# Altium PCB Driver_BLDC.PcbDoc (part 1 of 3)
Units mm, origin at the board's own origin, x right, y up, seen from the top; angles counter-clockwise.
Board outline 320 x 180.01 mm, 2 copper layers (Top Layer, Bottom Layer), stack 1.371 mm thick; 416 components, 166 nets, 1100 pads, 409 vias.
Unrouted connection lines stored in the file: 1.
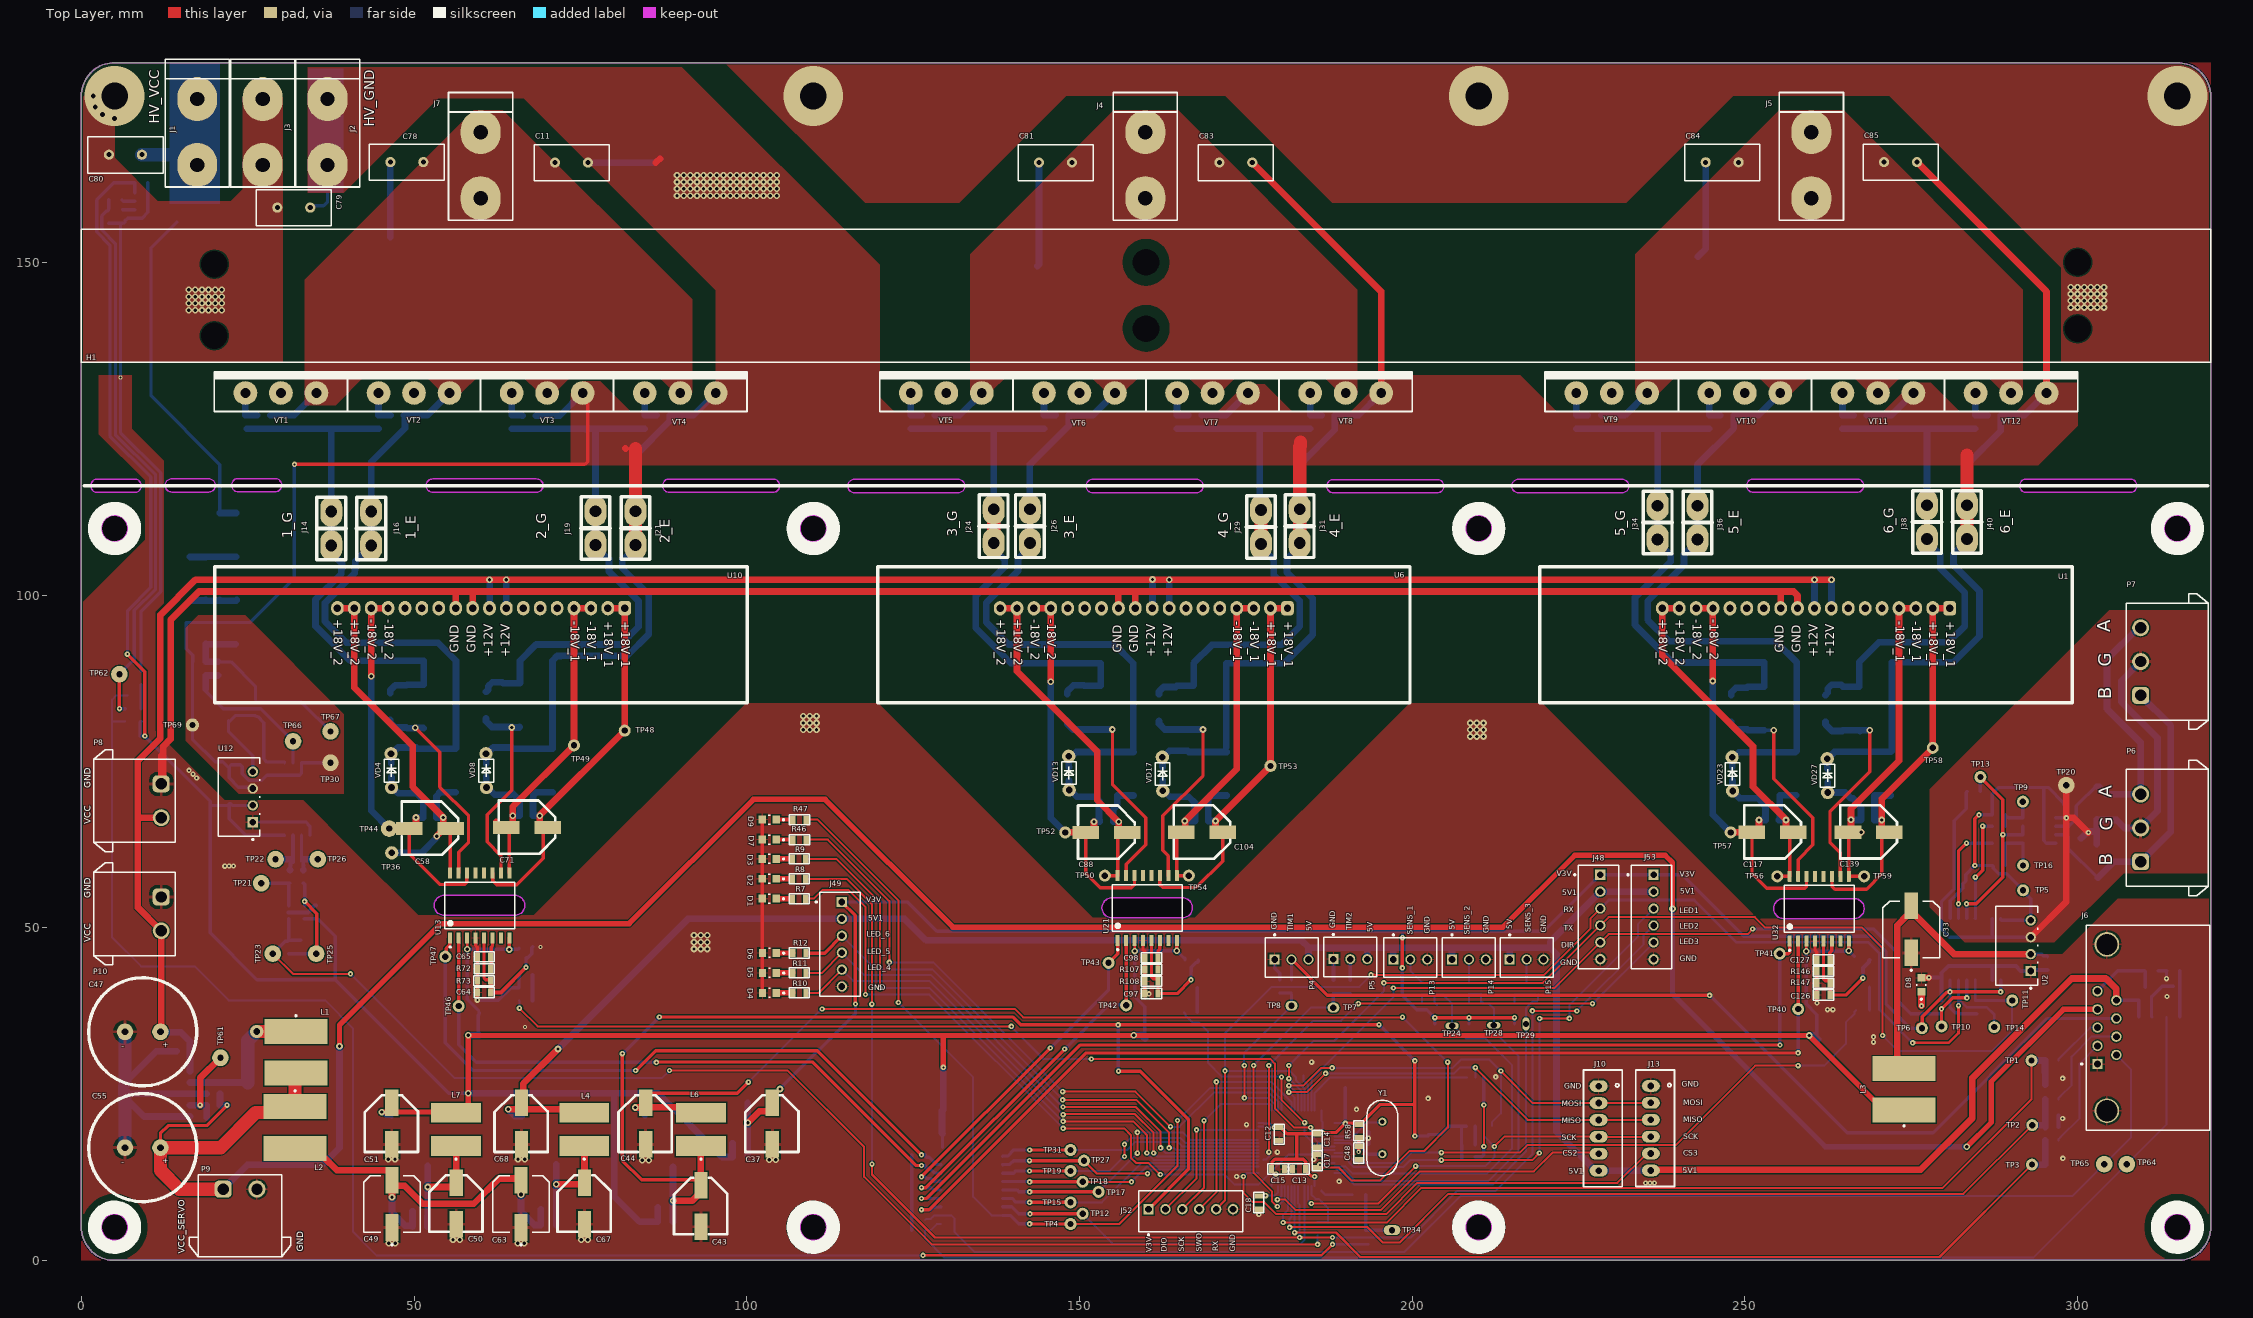
[diagram p0: Top Layer view]
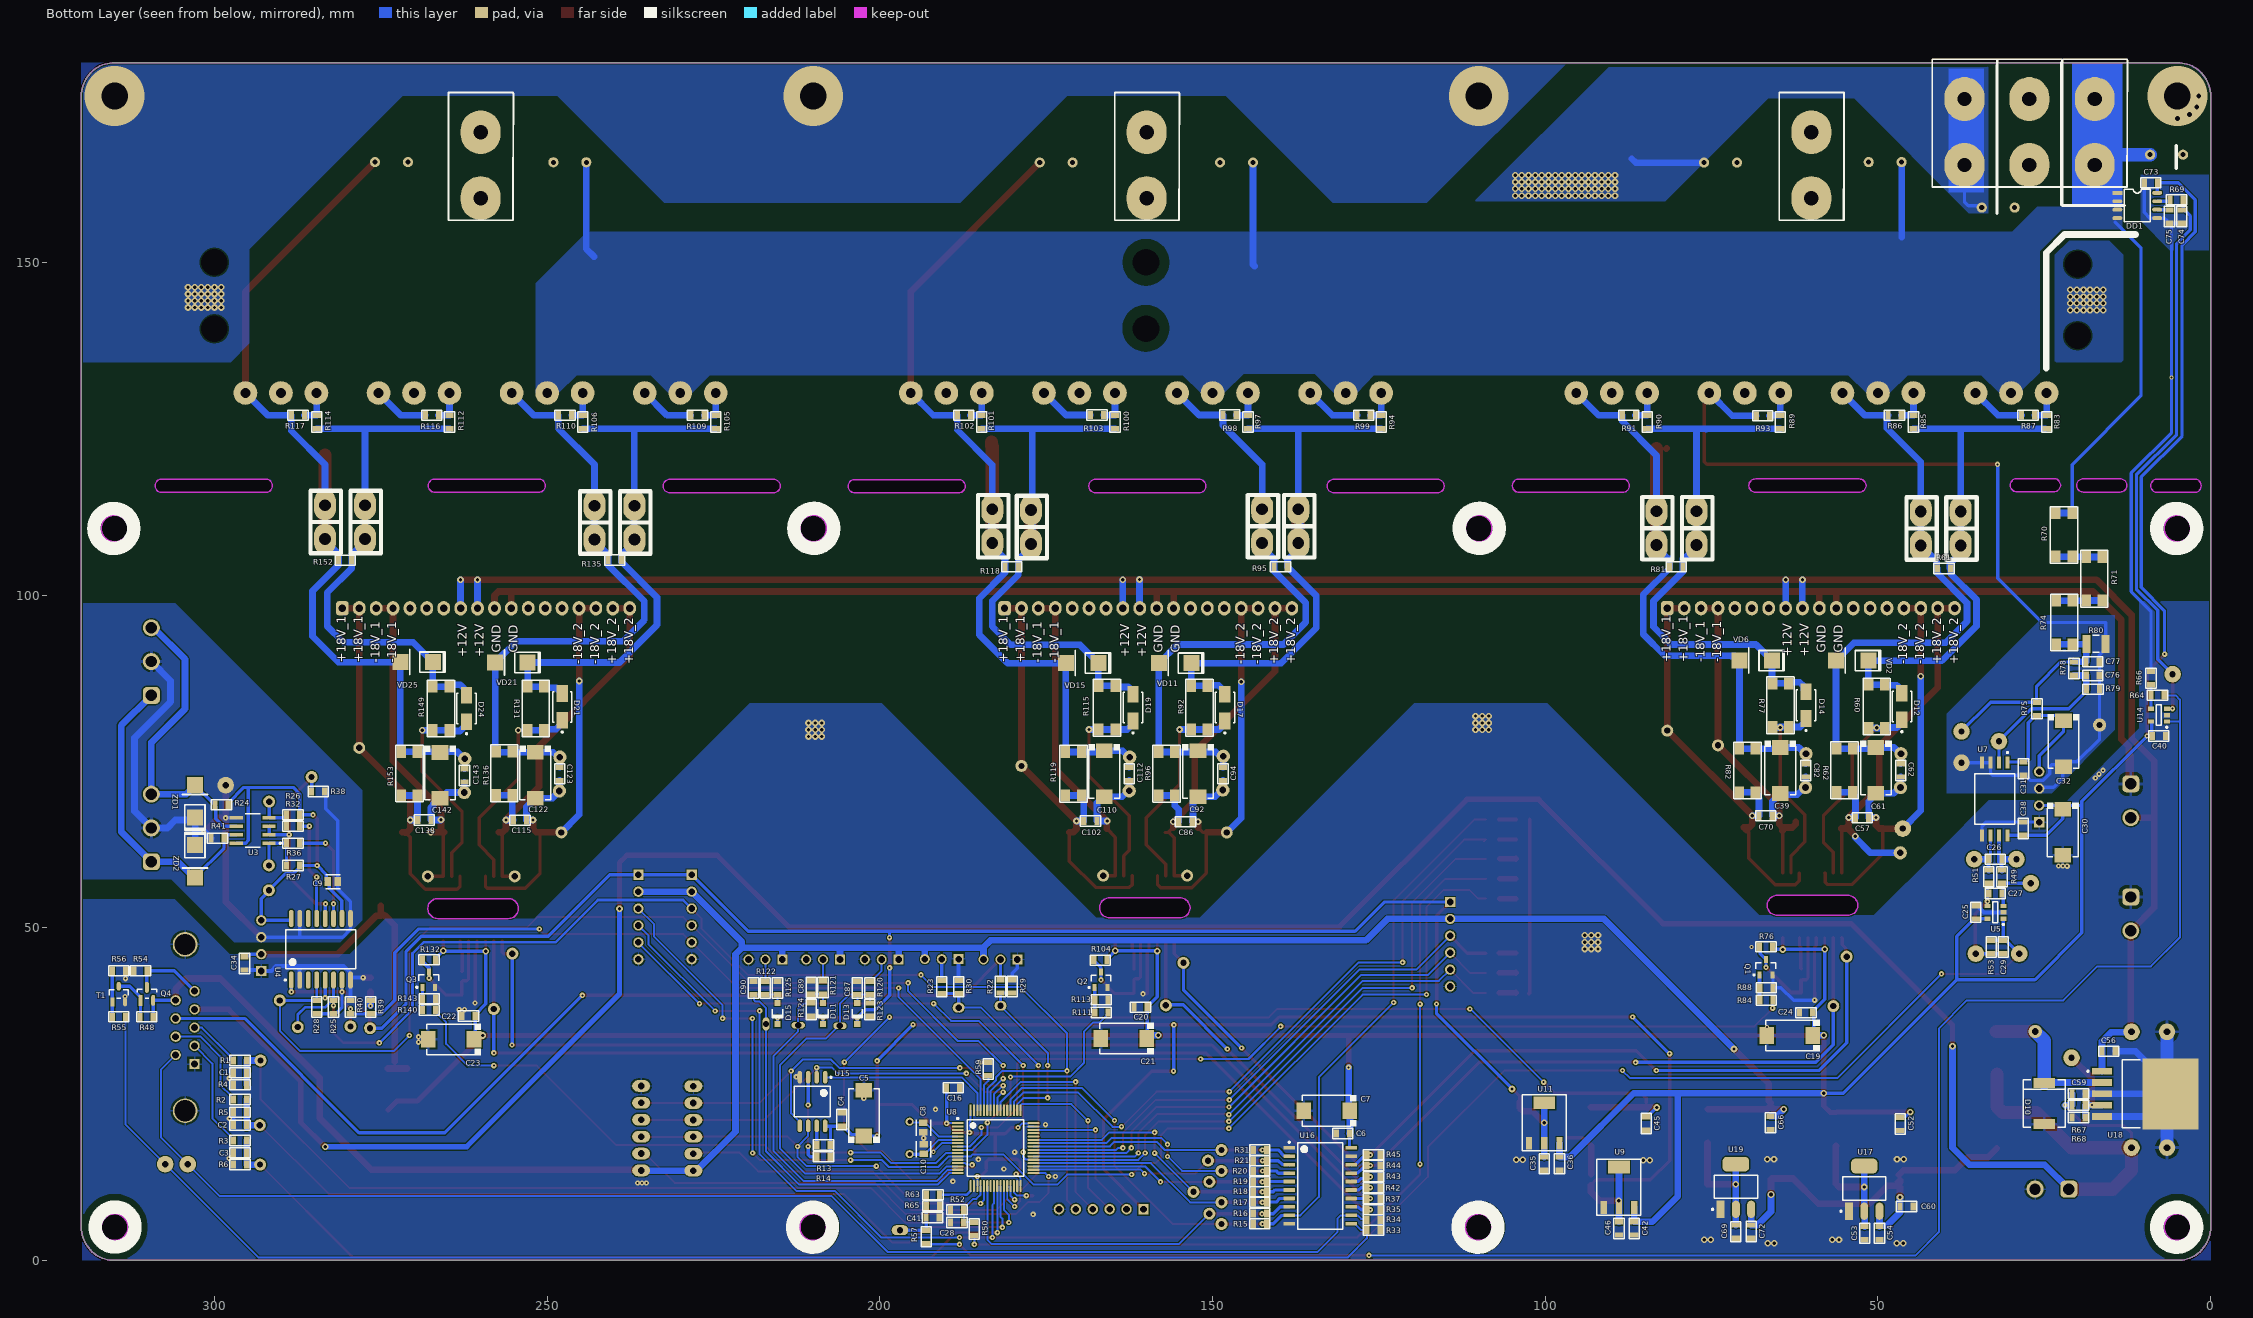
[diagram p1: Bottom Layer view, seen from below]
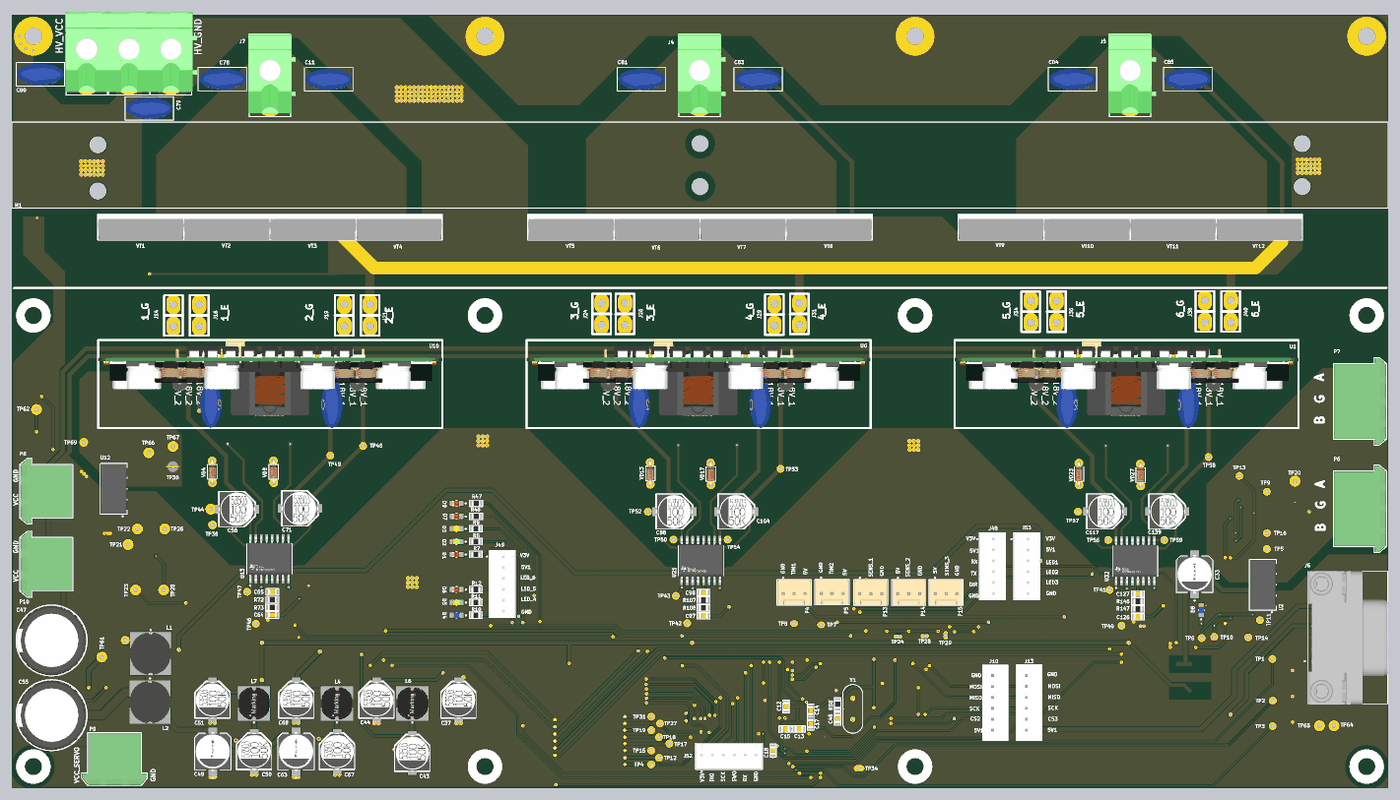
[diagram p4: 3D render of the assembled board from above, using the file's embedded part models]
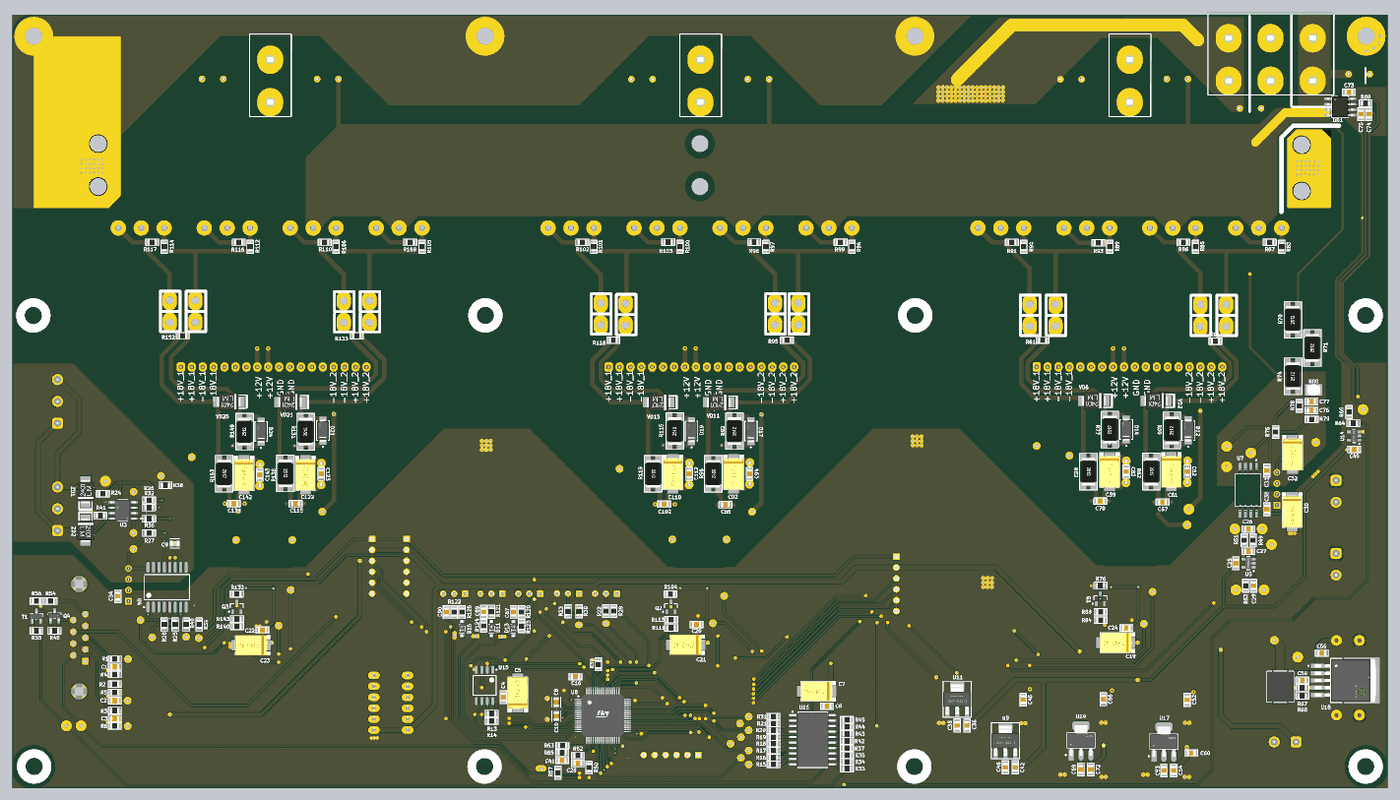
[diagram p5: 3D render of the assembled board from below, using the file's embedded part models]

## Layer stack, top to bottom
Top Solder: solder mask 0.0102, Solder Resist, Dk 3.5
Top Layer: signal copper 0.0356
Dielectric 1: dielectric 1.3, FR-4, Dk 4.8
Bottom Layer: signal copper 0.0356
Bottom Solder: solder mask 0.0102, Solder Resist, Dk 3.5

## Board outline
0,5 0,175.004 cw(c5,175.004) 5,180.004 5,180.011 315,180.011 315,180.004 cw(c315,175.004) 320,175.004 319.999,175.004 319.999,5 320,5 cw(c315,5) 315,0 5,0 cw(c5,5)
cut-out: 292.305,115.425 307.904,115.425 ccw(c307.904,116.425) 307.904,117.425 292.305,117.425 ccw(c292.305,116.425)
cut-out: 5,3 cw(c5,5) 3,5 cw(c5,5) 5,7 cw(c5,5) 7,5 cw(c5,5)
cut-out: 23.561,115.508 29.12,115.508 ccw(c29.12,116.508) 29.12,117.508 23.561,117.508 ccw(c23.561,116.508)
cut-out: 13.588,115.483 19.147,115.483 19.147,115.484 ccw(c19.147,116.484) 19.147,117.484 19.147,117.483 13.588,117.483 13.588,117.484 ccw(c13.588,116.484)
cut-out: 2.441,115.425 8,115.425 ccw(c8,116.425) 8,117.425 2.441,117.425 ccw(c2.441,116.425)
cut-out: 52.794,115.45 cw(c52.794,116.45) 52.794,117.45 68.393,117.45 cw(c68.393,116.45) 68.393,115.45
cut-out: 88.34,115.435 103.94,115.435 103.94,115.436 ccw(c103.94,116.436) 103.94,117.436 103.94,117.435 88.34,117.435 88.34,117.436 ccw(c88.34,116.436)
cut-out: 116.19,115.385 131.79,115.385 131.79,115.386 ccw(c131.79,116.386) 131.79,117.386 131.79,117.385 116.19,117.385 116.19,117.386 ccw(c116.19,116.386)
cut-out: 151.981,115.386 cw(c151.981,116.386) 151.981,117.386 151.981,117.385 167.58,117.385 167.58,117.386 cw(c167.58,116.386) 167.58,115.386 167.58,115.385
cut-out: 188.165,115.36 203.765,115.36 203.765,115.361 ccw(c203.765,116.361) 203.765,117.361 203.765,117.36 188.165,117.36 188.165,117.361 ccw(c188.165,116.361)
cut-out: 215.965,115.385 231.565,115.385 231.565,115.386 ccw(c231.565,116.386) 231.565,117.386 231.565,117.385 215.965,117.385 215.965,117.386 ccw(c215.965,116.386)
cut-out: 251.265,115.435 266.865,115.435 266.865,115.436 ccw(c266.865,116.436) 266.865,117.436 266.865,117.435 251.265,117.435 251.265,117.436 ccw(c251.265,116.436)
cut-out: 313,5 ccw(c315,5) 315,3 ccw(c315,5) 317,5 ccw(c315,5) 315,7 ccw(c315,5)
cut-out: 208,5 ccw(c210,5) 210,3 ccw(c210,5) 212,5 ccw(c210,5) 210,7 ccw(c210,5)
cut-out: 108,5 ccw(c110,5) 110,3 ccw(c110,5) 112,5 ccw(c110,5) 110,7 ccw(c110,5)
cut-out: 110,108.004 cw(c110,110.004) 108,110.004 cw(c110,110.004) 110,112.004 cw(c110,110.004) 112,110.004 cw(c110,110.004)
cut-out: 208,110.004 ccw(c210,110.004) 210,108.004 ccw(c210,110.004) 212,110.004 ccw(c210,110.004) 210,112.004 ccw(c210,110.004)
cut-out: 65.136,51.881 54.537,51.881 cw(c54.537,53.381) 54.537,54.881 65.136,54.881 cw(c65.136,53.381)
cut-out: 266.427,51.384 255.828,51.384 cw(c255.828,52.884) 255.828,54.384 266.427,54.384 cw(c266.427,52.884)
cut-out: 313,110.004 ccw(c315,110.004) 315,108.004 ccw(c315,110.004) 317,110.004 ccw(c315,110.004) 315,112.004 ccw(c315,110.004)
cut-out: 5,108.004 cw(c5,110.004) 3,110.004 cw(c5,110.004) 5,112.004 cw(c5,110.004) 7,110.004 cw(c5,110.004)
cut-out: 165.483,51.501 154.883,51.501 cw(c154.883,53.001) 154.883,54.501 165.483,54.501 cw(c165.483,53.001)

## Design rules (kind name [scope] priority, off if disabled: settings)
Clearance HV [InNetClass('All Nets') vs InNetClass('HV')] p1: gap=0.2 ignorepadtopadclearanceinfootprint=TRUE except(0: Text-Text Text-Hole; 0.4: THPad-THPad THPad-Via THPad-Fill THPad-Poly THPad-Region THPad-Text THPad-Hole Via-Via Via-Fill Via-Poly Via-Region Via-Text Via-Hole; 0.5: SMDPad-SMDPad SMDPad-THPad SMDPad-Via SMDPad-Fill SMDPad-Poly SMDPad-Region SMDPad-Text SMDPad-Hole Fill-Fill Fill-Poly Fill-Region Fill-Text Fill-Hole Poly-Poly Poly-Region Poly-Text Poly-Hole Region-Region Region-Text Region-Hole)
Clearance Clearance_1 [All] p2: gap=0.18 ignorepadtopadclearanceinfootprint=TRUE
Clearance GND [InNet('GND')] p3: gap=0.4 ignorepadtopadclearanceinfootprint=TRUE except(0.3: Text-Text Text-Hole)
ComponentClearance [All] p1: gap=-2.254 collisioncheckmode=3 verticalgap=0.254 showdistances=FALSE
DiffPairsRouting [All] p1: maxlimit=0.254 minlimit=0.1 mostfreqgap=0.254 toplayer_minwidth=0.3 toplayer_maxwidth=2 toplayer_prefwidth=0.3 bottomlayer_minwidth=0.3 bottomlayer_maxwidth=2 bottomlayer_prefwidth=0.3 maxuncoupledlength=12.7
Height [All] p1: minheight=0 maxheight=100 prefheight=12.7
HoleSize [All] p1: absolutevalues=TRUE maxlimit=5 minlimit=0.025 maxpercent=80.000 minpercent=20.000
HoleToHoleClearance [All] p1: gap=0 allowstackedmicrovias=TRUE
LayerPairs [All] p1 off: enforce=TRUE
MinimumSolderMaskSliver [All] p1: minsoldermaskwidth=0.01
PlaneClearance [All] p1: clearance=0.4
PlaneConnect [All] p1: planeconnectstyle=Direct reliefexpansion=0.508 reliefentries=4 reliefconductorwidth=0.254 reliefairgap=0.254
PolygonConnect [All] p1: connectstyle=Direct reliefconductorwidth=0.254 reliefentries=4 polygonreliefangle="90 Angle" airgapwidth=0.254
RoutingCorners [All] p1: cornerstyle=45-Degree minsetback=0.2 maxsetback=0.2
RoutingVias [All] p1: holewidth=0.4 width=0.8 viastyle="Through Hole" minholewidth=0.254 minwidth=0.5 maxholewidth=0.75 maxwidth=1.5
ShortCircuit [All] p1: allowed=TRUE
SilkToSilkClearance [All] p1 off: silktosilkclearance=0.01
SilkToSolderMaskClearance [All] p1: minsilkscreentomaskgap=0 clearancetoexposedcopper=FALSE
SolderMaskExpansion [All] p1: expansion=0 istentingtop=FALSE
UnRoutedNet [All] p1: checkbadconnections=TRUE
Width [All] p1: maxlimit=10 minlimit=0.254 preferedwidth=2
16 further rules are at their usual default settings.

## Components (designator, comment, footprint, x,y, rotation, side; value= is the part's Value field where it differs from the comment)
C1 "330pF" CAP-0805 296.161,28.224 r180 bottom
C2 "330pF" CAP-0805 296.15,20.347 r180 bottom
C3 "330pF" CAP-0805 296.15,16.193 r180 bottom
C4 "100n" CAP-0805 205.725,21.175 r270 bottom
C5 "CAP-POLAR" CAP-TAN-D 202.4,22.15 r90 bottom
C6 "100n" CAP-0805 130.421,19.077 r180 bottom
C7 "CAP-POLAR" CAP-TAN-D 132.85,22.5 r0 bottom
C8 "16pF" FP-GRM21B-0_1-IPC_C 193.447,19.975 r270 bottom
C9 "C0805C224K5RACTU" FP-C0805C-DN-MFG 282.203,56.922 r180 bottom value="0.22 μF"
C10 "16pF" FP-GRM21B-0_1-IPC_C 193.414,16.742 r90 bottom
C11 "CAP-V" CAP-V 73.66,164.983 r180 top
C12 "CAP-NON-POLAR" CAP-0805 180,18.975 r270 top
C13 "CAP-NON-POLAR" CAP-0805 183.007,13.742 r180 top
C14 "CAP-NON-POLAR" CAP-0805 185.74,18.021 r270 top
C15 "CAP-NON-POLAR" CAP-0805 179.851,13.742 r0 top
C16 "CAP-NON-POLAR" CAP-0805 188.977,25.942 r180 bottom
C17 "CAP-NON-POLAR" CAP-0805 185.741,14.975 r270 top
C18 "2,2uF 6,3V" CAP-0805 176.95,8.7 r90 top
C19 "CAP-POLAR" CAP-TAN-D 63.246,33.818 r0 bottom
C20 "CAP-NON-POLAR" CAP-0805 160.811,38.03 r180 bottom
C21 "CAP-POLAR" CAP-TAN-D 163.325,33.35 r0 bottom
C22 "CAP-NON-POLAR" CAP-0805 261.812,36.734 r180 bottom
C23 "CAP-POLAR" CAP-TAN-D 264.439,33.233 r0 bottom
C24 "CAP-NON-POLAR" CAP-0805 60.796,37.253 r180 bottom
C25 "0.1uF" CAP-0805 35.293,52.325 r270 bottom
C26 "47pF" CAP-0805 32.365,60.305 r180 bottom locked
C27 "47pF" CAP-0805 32.365,55.148 r180 bottom
C28 "1000pF" CAP-0805 188.386,5.7 r180 bottom
C29 "0.1uF" CAP-0805 31.185,47.105 r90 bottom locked
C30 "47uF_16V" CAP-TAN-D 22.225,64.338 r270 bottom
C31 "0.1uF" CAP-0805 28.125,73.9 r90 bottom
C32 "100uF_16V" CAP-TAN-D 22.125,77.65 r270 bottom
C33 "1000uF_10V" CAP_SMD_Size_G 275,49.769 r90 top
C34 "CAP-NON-POLAR" CAP-0805 295.483,44.648 r90 bottom
C35 "0.1uF" CAP-0805 100.15,14.55 r90 bottom
C36 "0.1uF" CAP-0805 97.85,14.55 r90 bottom
C37 "1000uF_6.3V" CAP_SMD_Size_E 103.85,20.5 r90 top locked
C38 "0.1uF" CAP-0805 28.15,64.9 r90 bottom
C39 "CAP-POLAR" CAP-TAN-D 64.686,73.631 r270 bottom
C40 "0.1uF" CAP-0805 7.798,78.817 r0 bottom
C41 "220pF" CAP-0805 192.064,6.465 r0 bottom
C42 "0.1uF" CAP-0805 86.625,4.825 r90 bottom
C43 "1000uF_6.3V" CAP_SMD_Size_E 93.125,8.125 r90 top
C44 "1000uF_6.3V" CAP_SMD_Size_E 84.8,20.5 r90 top locked
C45 "0.1uF" CAP-0805 84.8,20.575 r90 bottom
C46 "0.1uF" CAP-0805 88.925,4.825 r90 bottom
C47 "25V_2200uF" "HITANO 3300uF 25V  16x25" 9.231,34.362 r180 top
C48 "2.2uF" CAP-0805 191.982,16.149 r90 top
C49 "1000uF_10V" CAP_SMD_Size_G 46.7,8.5 r90 top locked
C50 "1000uF_6.3V" CAP_SMD_Size_E 56.35,8.5 r90 top locked
C51 "1000uF_6.3V" CAP_SMD_Size_E 46.66,20.5 r90 top locked
C52 "0.1uF" CAP-0805 46.66,20.525 r90 bottom
C53 "0.1uF" CAP-0805 52.01,4.1 r90 bottom
C54 "0.1uF" CAP-0805 49.77,4.1 r90 bottom
C55 "25V_2200uF" "HITANO 3300uF 25V  16x25" 9.231,16.963 r180 top
C56 "0.1uF" CAP-0805 15.327,31.441 r0 bottom
C57 "CAP-NON-POLAR" CAP-0805 52.366,66.531 r0 bottom
C58 "100uF_50V" CAP_SMD_Size_E 52.326,64.911 r0 top
C59 "0.1uF" CAP-0805 19.848,25.04 r0 bottom
C60 "0.1uF" CAP-0805 45.7,8.105 r0 bottom
C61 "CAP-POLAR" CAP-TAN-D 50.321,73.645 r270 bottom
C62 "CAP-NON-POLAR" CAP-0805 46.598,73.645 r90 bottom
C63 "1000uF_10V" CAP_SMD_Size_G 66.075,8.5 r90 top locked
C64 "CAP-NON-POLAR" CAP-0805 60.542,40.272 r0 top
C65 "CAP-NON-POLAR" CAP-0805 60.542,45.661 r0 top
C66 "0.1uF" CAP-0805 66.15,20.681 r90 bottom
C67 "1000uF_6.3V" CAP_SMD_Size_E 75.625,8.5 r90 top locked
C68 "1000uF_6.3V" CAP_SMD_Size_E 66.15,20.5 r90 top locked
C69 "0.1uF" CAP-0805 71.35,4.333 r90 bottom
C70 "CAP-NON-POLAR" CAP-0805 66.876,66.811 r0 bottom
C71 "100uF_50V" CAP_SMD_Size_E 66.926,65.061 r0 top
C72 "0.1uF" CAP-0805 69.06,4.333 r90 bottom
C73 "100nF" CAP-0805 9.002,161.979 r180 bottom
C74 "100pF" CAP-0805 4.354,156.874 r90 bottom
C75 "0.1uF" CAP-0805 6.182,156.874 r90 bottom
C76 "0.33uF" CAP-0805 17.723,87.913 r0 bottom
C77 "0.1uF" CAP-0805 17.725,89.975 r0 bottom
C78 "CAP-V" CAP-V 48.92,165.059 r180 top
C79 "CAP-V" CAP-V 31.925,158.225 r180 top
C80 "CAP-V" CAP-V 6.625,166.175 r180 top
C81 "100pF" CAP-V 146.394,165.004 r180 top
C82 "CAP-NON-POLAR" CAP-0805 60.856,73.645 r90 bottom
C83 "CAP-V" CAP-V 173.496,165.004 r180 top
C84 "CAP-V" CAP-V 246.583,165.034 r180 top
C85 "CAP-V" CAP-V 273.394,165.059 r180 top
C86 "CAP-NON-POLAR" CAP-0805 154.073,65.951 r0 bottom
C87 "330pF" CAP-0805 203.372,40.952 r270 bottom
C88 "100uF_50V" CAP_SMD_Size_E 153.981,64.321 r0 top
C89 "330pF" CAP-0805 210.322,41.027 r270 bottom
C90 "330pF" CAP-0805 218.992,40.952 r270 bottom
C92 "CAP-POLAR" CAP-TAN-D 152.193,73.141 r270 bottom
C94 "CAP-NON-POLAR" CAP-0805 148.427,73.14 r90 bottom
C97 "CAP-NON-POLAR" CAP-0805 160.813,40.118 r0 top
C98 "CAP-NON-POLAR" CAP-0805 160.813,45.49 r0 top
C102 "CAP-NON-POLAR" CAP-0805 168.353,66.051 r0 bottom
C104 "100uF_50V" CAP_SMD_Size_E 168.353,64.331 r0 top
C110 "CAP-POLAR" CAP-TAN-D 166.273,73.141 r270 bottom
C112 "CAP-NON-POLAR" CAP-0805 162.503,73.141 r90 bottom
C115 "CAP-NON-POLAR" CAP-0805 254.087,66.164 r0 bottom
C117 "100uF_50V" CAP_SMD_Size_E 254.107,64.354 r0 top
C122 "CAP-POLAR" CAP-TAN-D 251.787,72.924 r270 bottom
C123 "CAP-NON-POLAR" CAP-0805 248.126,73.135 r90 bottom
C126 "CAP-NON-POLAR" CAP-0805 261.812,39.894 r0 top
C127 "2.2nF" CAP-0805 261.812,45.174 r0 top
C138 "CAP-NON-POLAR" CAP-0805 268.457,66.204 r0 bottom
C139 "100uF_50V" CAP_SMD_Size_E 268.537,64.354 r0 top
C142 "CAP-POLAR" CAP-TAN-D 266.088,72.894 r270 bottom
C143 "CAP-NON-POLAR" CAP-0805 262.418,72.894 r90 bottom
D1 "151031YS06000" LED_RED 103.38,54.366 r180 top
D2 "151031YS06000" LED_GREEN 103.38,57.366 r180 top
D3 "151031YS06000" LED_YELLOW 103.38,60.366 r180 top
D4 "151031YS06000" LED_BLUE 103.405,40.216 r180 top
D5 "151031YS06000" LED_GREEN 103.405,43.216 r180 top
D6 "151031YS06000" LED_RED 103.405,46.216 r180 top
D7 "151031YS06000" LED_RED 103.38,63.245 r180 top
D8 "LED" LED_BLUE 276.541,41.418 r90 top
D9 "151031YS06000" LED_RED 103.38,66.254 r180 top
D10 "SS36" SMC/DO214AB 25.004,23.586 r270 bottom
D11 "1N4148" DIOD-SOD123-2_V 208.532,37.125 r270 bottom
D12 "US1G" US1G_SMA 46.406,83.261 r90 bottom
D13 "1N4148" DIOD-SOD123-2_V 203.407,37.125 r270 bottom
D14 "US1G" US1G_SMA 60.816,83.445 r90 bottom
D15 "1N4148" DIOD-SOD123-2_V 215.375,37.125 r270 bottom
D17 "US1G" US1G_SMA 148.143,83.081 r90 bottom
D19 "US1G" US1G_SMA 161.953,83.081 r90 bottom
D21 "US1G" US1G_SMA 247.73,83.204 r90 bottom
D24 "US1G" US1G_SMA 262.107,82.965 r90 bottom
DD1 "ACS712" SO8-150 11.034,158.55 r180 bottom locked
H1 "HEAT SINK" "HEAT SINK" 160,145.004 r180 top locked
J1 "MG_136_HT" Conn_MEIGAN_MG136HT 17.425,172 r180 top
J2 "MG_136_HT" Conn_MEIGAN_MG136HT 37,172 r180 top
J3 "MG_136_HT" Conn_MEIGAN_MG136HT 27.25,172 r180 top
J4 "MG_136_HT" Conn_MEIGAN_MG136HT 159.893,167.004 r180 top
J5 "MG_136_HT" Conn_MEIGAN_MG136HT 259.994,167.004 r180 top locked
J6 "DB9 pcb" "DB9 conn pcb" 304.405,35 r90 top locked
J7 "MG_136_HT" Conn_MEIGAN_MG136HT 60,167.004 r180 top
J10 "B6B-XH-TW" B6B-XH-TW 228.659,19.85 r270 top locked
J13 "B6B-XH-TW" B6B-XH-TW 236.5,19.875 r270 top locked
J14 "G(4)" Klema_PCB_15A 37.562,110.004 r270 top locked
J16 "E(5)" Klema_PCB_15A 43.562,110.004 r270 top locked
J19 "G(6)" Klema_PCB_15A 77.277,110.052 r270 top locked
J21 "E(7)" Klema_PCB_15A 83.277,110.052 r270 top locked
J24 "G" Klema_PCB_15A 137.109,110.348 r270 top
J26 "E" Klema_PCB_15A 142.545,110.348 r270 top
J29 "G" Klema_PCB_15A 177.278,110.221 r270 top
J31 "E" Klema_PCB_15A 183.094,110.348 r270 top
J34 "G" Klema_PCB_15A 236.888,110.89 r270 top
J36 "E" Klema_PCB_15A 242.888,110.89 r270 top
J38 "G" Klema_PCB_15A 277.38,110.966 r270 top
J40 "E" Klema_PCB_15A 283.38,110.966 r270 top
J48 "" Sullins_SWR25X-NRTC-S06-ST-BA_MFG 227.979,51.62 r270 top
J49 "" Sullins_SWR25X-NRTC-S06-ST-BA_MFG 114,47.52 r270 top
J52 "" Sullins_SWR25X-NRTC-S06-ST-BA_MFG 166.73,7.4 r0 top
J53 "" Sullins_SWR25X-NRTC-S06-ST-BA_MFG 235.979,51.61 r270 top
L1 "22µH, 2.04A" WE-PD2_1054#1 32.25,31.275 r270 top
L2 "22µH, 2.04A" WE-PD2_1054#1 32.125,19.986 r270 top
L3 "744776227" WE-PD2_1054#2 -996.075,1295.725 r90 top
L4 "1000µH, 0.3A" WE-PD2_7850 75.575,19.7 r90 top locked
L6 "1000µH, 0.3A" WE-PD2_7850 93.125,19.7 r90 top locked
L7 "1000µH, 0.3A" WE-PD2_7850 56.3,19.7 r90 top locked
P4 "61900311121" 61900311121 181.871,45.537 r180 top
P5 "61900311121" 61900311121 190.701,45.587 r180 top
P6 "691305540003" 691305540003 313.475,65 r90 top locked
P7 "691305540003" 691305540003 313.475,90 r90 top locked
P8 "691305540002" 691305540002 8,69.079 r270 top locked
P9 "691305540002" 691305540002 23.85,6.725 r0 top
P10 "691305540002" 691305540002 8,52.079 r270 top locked
P13 "61900311121" 61900311121 199.717,45.525 r180 top